# Altium PCB LimeNet-Micro_2v0.PcbDoc (part 4 of 11) (continued)
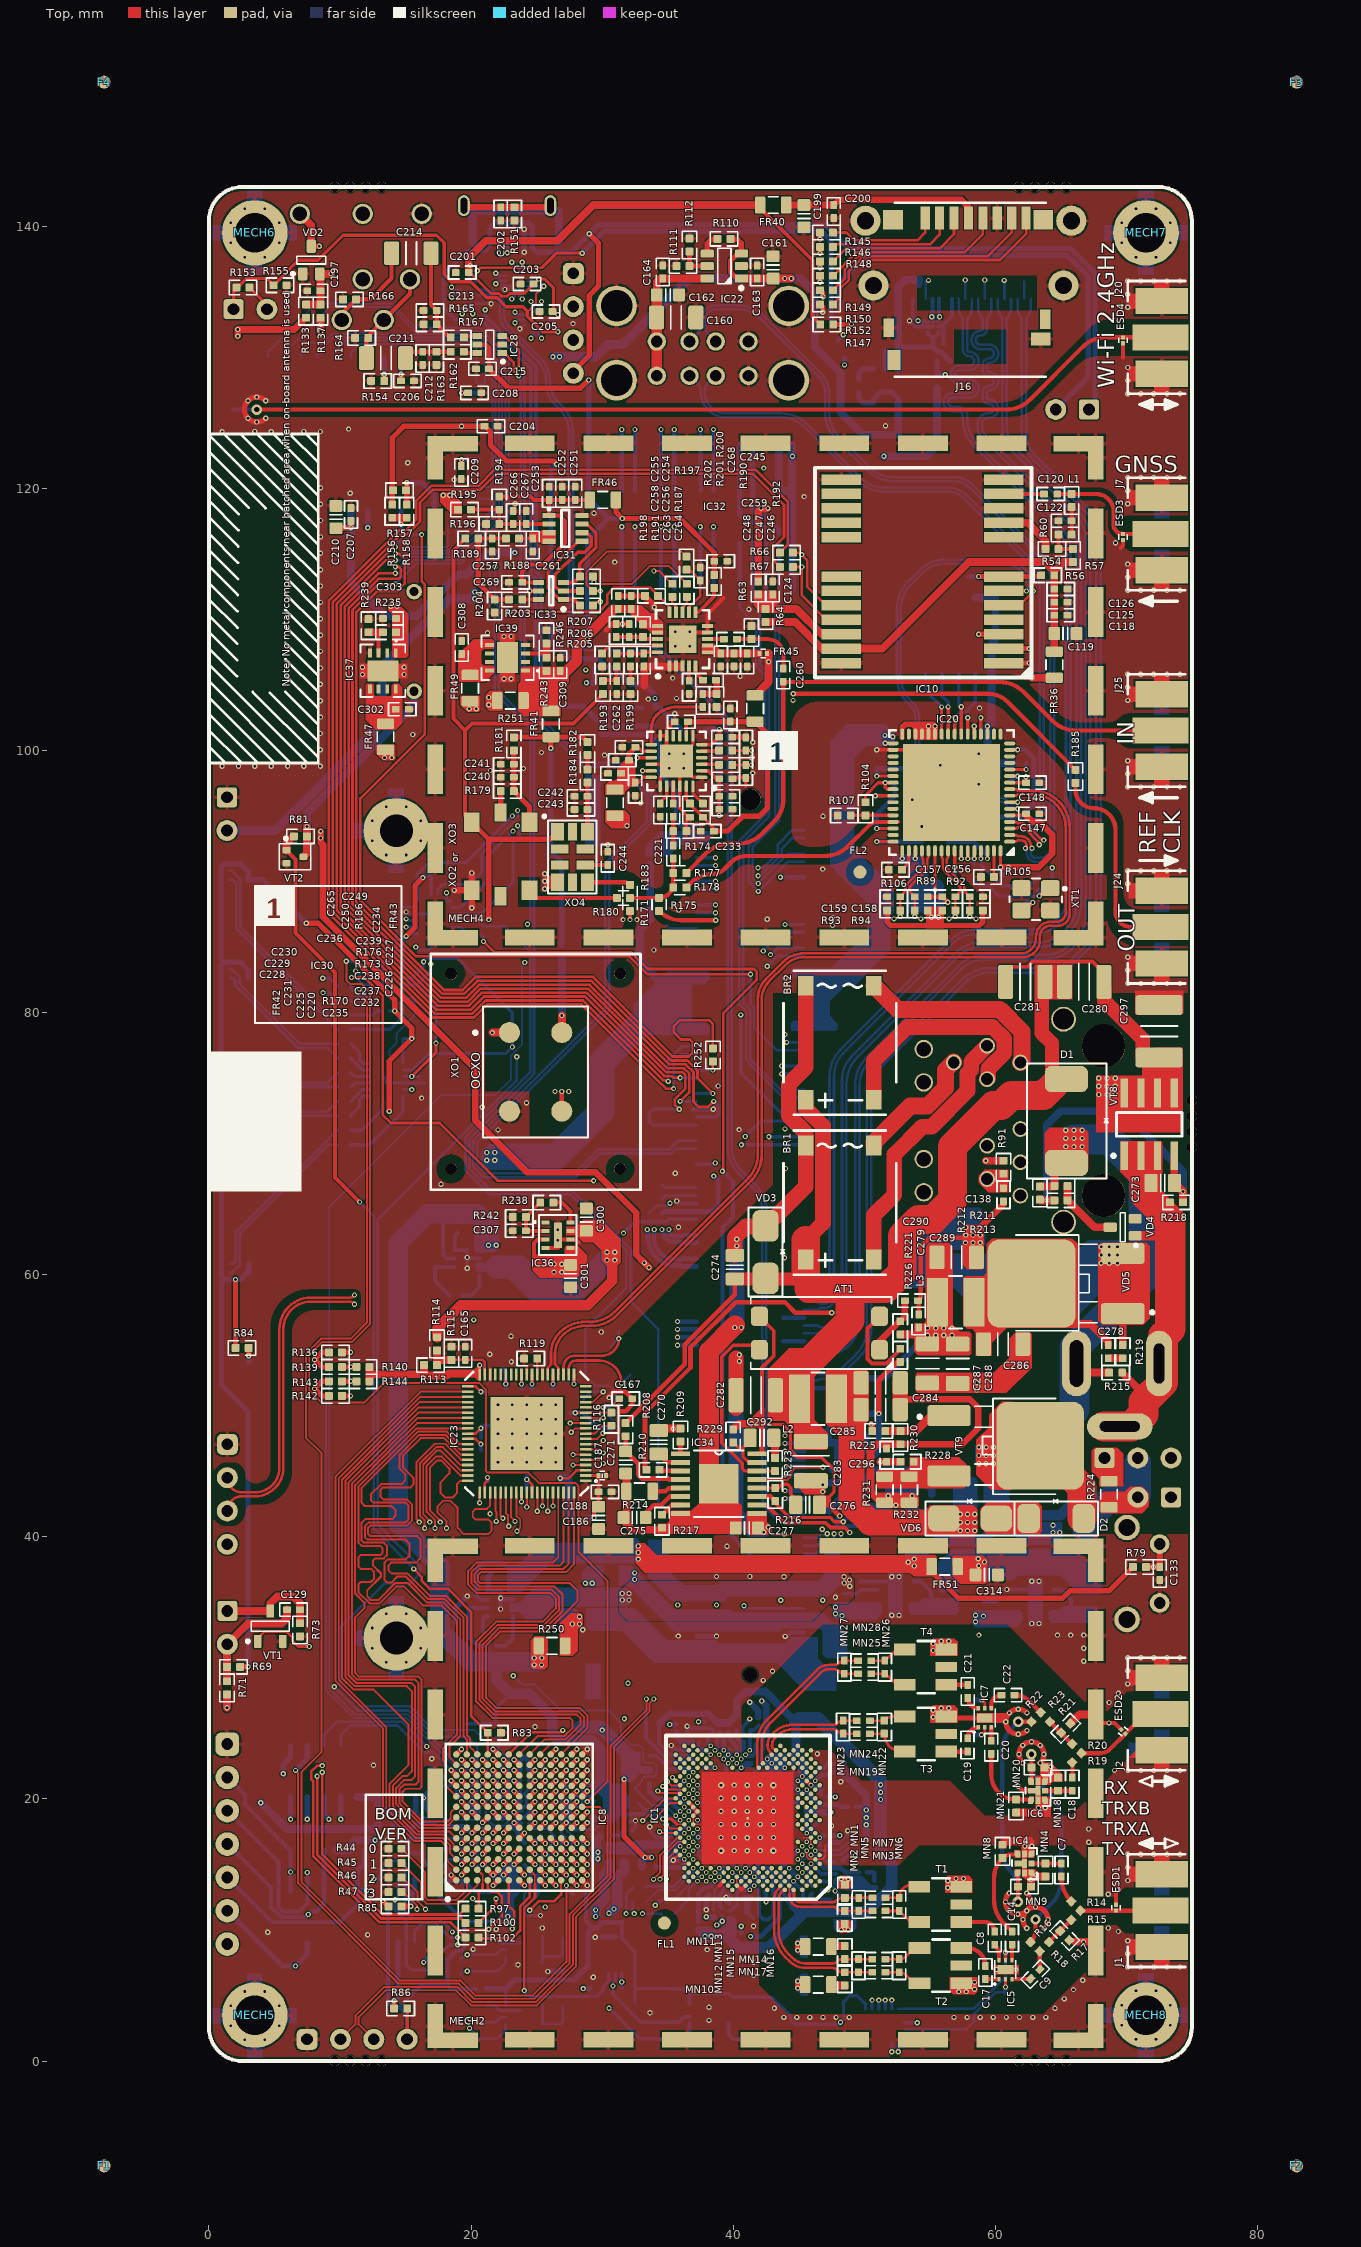
[diagram p0: Top view]
## Nets (pads, with @x,y where several pads share a name; then routed paths per layer and width w, separated by ;. In a path a pad name is that pad's centre, name@x,y a point inside that pad or via, vN(x,y) a via of type N, cw(c..) or ccw(c..) an arc to the next point about the centre after c; other vN are vias at no path point) (continued)
  Bottom w0.325: J22.8@37.5,119.8 J22.8@37.5,123.3 v1(37.5,124.5)
  Bottom w0.35: v1@34.6,63.4 ccw(c35.5,63.4) 35.5,62.5 35.95,62.5 36.025,62.425 J13.96@37.2,62.425
DSI1_D0_P: J13.94 J22.9 | length 74.9
  L4 w0.1: v1(35.092,63.45) 34.925,63.617 34.925,64.183 33.3,65.808 33.3,85 33.975,85.675 34.038,85.738 34.038,100.005 33.15,100.892 33.15,105.117 33.525,105.492 33.525,114.438 31.15,116.813 31.15,117.911 35.572,122.333 37.541,122.333 38.1,122.892 38.1,123.167 ; 38.1,123.25 38.1,124.1 v1(38.5,124.5)
  Bottom w0.325: J22.9@38.5,119.8 J22.9@38.5,123.3 v1(38.5,124.5)
  Bottom w0.35: v1@35.05,63.4 ccw(c35.5,63.4) 35.5,62.95 35.95,62.95 36.025,63.025 J13.94@37.2,63.025
DSI1_D1_N: J13.120 J22.2 | length 80.3
  L4 w0.1: v1(31.5,124.5) 31.9,124.1 31.9,122.828 30.15,121.078 30.15,116.399 32.525,114.024 32.525,105.925 32.35,105.75 32.35,105.741 32.15,105.541 32.15,100.478 33.013,99.615 33.013,99.17 32.375,98.533 32.375,95.467 33.038,94.805 33.038,86.152 32.3,85.414 32.3,64.199 32.863,63.636 32.863,62.255 34.425,60.692 34.425,56.117 35.117,55.425 35.55,55.425 v1(35.75,55.225)
  Bottom w0.325: J22.2@31.5,119.8 J22.2@31.5,123.3 v1(31.5,124.5)
  Bottom w0.35: v1(35.75,55.225) J13.120@37.2,55.225
DSI1_D1_P: J13.118 J22.3 | length 79.9
  L4 w0.1: 32.1,123.167 32.1,122.745 30.35,120.995 30.35,116.481 32.725,114.106 32.725,105.833 32.35,105.458 32.35,100.561 33.213,99.698 33.213,99.088 32.575,98.45 32.575,95.55 33.238,94.887 33.238,86.069 32.5,85.331 32.5,64.281 33.063,63.719 33.063,62.337 34.625,60.775 34.625,56.2 35.2,55.625 35.55,55.625 v1(35.75,55.825) ; 32.1,123.25 32.1,124.1 v1(32.5,124.5)
  Bottom w0.325: J22.3@32.5,119.8 J22.3@32.5,123.3 v1(32.5,124.5)
  Bottom w0.35: v1(35.75,55.825) J13.118@37.2,55.825
ETH_AUTOMDIX_EN: IC15.3 IC20.41 R88.1 | length 47.9
  Top w0.25: v1(50.85,96.55) IC20.41@52.2,96.55
  L3 w0.1: v1(23.197,93.85) 23.645,93.85 31.1,101.305 31.1,102.95 33.025,104.875 44.65,104.875 45.25,104.275 45.25,102.15 v1(50.85,96.55)
  Bottom w0.25: IC15.3@18.5,88.025 19.225,88.025 21.2,90 21.2,91.853 v1(23.197,93.85)
  Bottom w0.35: v1(50.85,96.55) R88.1@51.3,96.55
ETH_CLK24: IC20.45 R178.2 | length 17.8
  Top w0.325: R178.2@36.425,89.55 36.796,89.921 cw(c38.375,88.342) 37.517,90.403 cw(c38.375,88.342) 38.375,90.575 ccw(c38.375,91.963) 39.357,90.982 39.85,91.475 cw(c40.997,90.328) 40.997,91.95 46.973,91.95 ccw(c46.973,94.49) 48.769,92.694 50.363,94.288 cw(c50.996,93.654) 50.996,94.55 IC20.45@52.2,94.55 IC20.45@52.55,94.55
ETH_CLK24_EN: IC20.44 R104.2 R107.1 | length 3.2
  Top w0.25: R107.1@48.975,95.05 R104.2@50.1,95.05 IC20.44@52.2,95.05
ETH_EECLK: IC20.23 IC21.2 | length 4.7
  Top w0.25: IC20.23@57.4,101.25 v1(57.4,103.335)
  Bottom w0.25: IC21.2@57.211,105.887 57.211,103.524 v1(57.4,103.335)
ETH_EECS: IC20.24 IC21.1 R103.2 | length 6
  Top w0.25: IC20.24@56.9,101.25 v1(56.9,102.5)
  Bottom w0.25: v1(56.9,102.5) 57.285,102.885 57.66,102.885 58.481,103.706 IC21.1@58.481,105.887
  Bottom w0.35: R103.2@56.9,102.025 v1(56.9,102.5)
ETH_EEDI: IC20.26 IC21.4 | length 5.2
  Top w0.25: IC20.26@55.9,101.25 v1(55.9,103.325) v1@55.9,103.35
  Bottom w0.25: IC21.4@54.671,105.887 54.671,104.554 v1(55.9,103.325)
ETH_EEDO: IC20.25 IC21.3 | length 4.8
  Top w0.25: IC20.25@56.4,101.25 v1(56.4,103.325)
  Bottom w0.25: IC21.3@55.941,105.887 55.941,104.134 56.4,103.675 v1(56.4,103.325)
ETH_GPIO0: IC8.C2 R97.2 | length 3.3
  Top w0.1: 20.872,13.475 20.872,14.194
  Top w0.15: IC8.C2@20.472,14.594 20.872,14.194
  Top w0.2: R97.2@20.575,11.625 20.575,12.804 20.872,13.101 20.872,13.475
ETH_GPIO1: IC8.G4 R100.2 | length 7.2
  Top w0.2: R100.2@20.575,10.525 21.9,11.85 v1(21.9,12.375)
  Top w0.4: v1(23.272,15.794) IC8.G4@23.672,16.194
  L3 w0.1: v1(21.9,12.375) 23.075,13.55 23.075,14.258 23.622,14.805 23.622,15.444 v1(23.272,15.794)
ETH_GPIO2: IC8.H1 R102.2 | length 7.6
  Top w0.2: R102.2@20.575,9.425 20.65,9.35 23.15,9.35 23.75,9.95 23.75,11.774 24.472,12.496 IC8.H1@24.472,13.794
ETH_LED1: IC13.2 R99.1 | length 1.5
  Bottom w0.25: R99.1@10.808,80.925 11.108,80.625 IC13.2@12.208,80.625
ETH_LED2: IC13.3 R101.1 | length 1.9
  Bottom w0.25: R101.1@10.807,82.025 10.807,81.851 11.533,81.125 IC13.3@12.208,81.125
ETH_NRESET: IC15.4 IC20.12 R87.1 | length 61.4
  Top w0.25: IC20.12@61.1,98.55 v1(62.35,98.55)
  L3 w0.1: v1(23.55,94.25) 30.85,101.55 30.85,102.983 31.142,103.275 32.942,105.075 44.733,105.075 45.45,104.358 45.45,102.233 50.758,96.925 59.55,96.925 61.175,98.55 v1(62.35,98.55)
  Bottom w0.25: IC15.4@18.5,87.525 20.775,87.525 23.197,89.947 23.197,92.922 23.7,93.425 23.7,94.1 v1(23.55,94.25)
  Bottom w0.35: v1(62.35,98.55) R87.1@62.35,99.025
ETH_RX_N: C158.1 IC20.53 J9.P5 R94.1 | length 25.6
  Top w0.2: v1(53.85,87.325) R94.1@53.85,87.8 C158.1@53.85,88.85 53.591,89.109 cw(c53.933,89.45) 53.45,89.45 cw(c53.752,89.45) 53.538,89.663 54.553,90.678 ccw(c53.955,91.275) 54.8,91.275 54.8,91.725 ccw(c54.559,91.966) 54.9,91.966 IC20.53@54.9,92.35
  L3 w0.15: v1(53.85,87.325) 53.602,87.077 ccw(c54.029,86.65) 53.425,86.65 ccw(c55.055,86.65) 53.435,86.469 ccw(c55.055,86.65) 53.902,85.498 59.933,79.467 cw(c57.96,77.494) 60.75,77.494 60.75,75.625 61.15,75.225 61.15,74.075 60.75,73.675 60.75,73.05 ccw(c62.609,73.05) 61.295,71.735 J9.P5@61.915,71.115
ETH_RX_P: C159.1 IC20.52 J9.P4 R93.1 | length 26.5
  Top w0.2: v1(52.75,87.325) R93.1@52.75,87.8 C159.1@52.75,88.85 53.009,89.109 ccw(c52.667,89.45) 53.15,89.45 cw(c53.752,89.45) 53.326,89.876 54.34,90.89 ccw(c53.955,91.275) 54.5,91.275 54.5,91.725 cw(c54.741,91.966) 54.4,91.966 IC20.52@54.4,92.35
  L3 w0.15: v1(52.75,87.325) 52.998,87.077 cw(c52.571,86.65) 53.175,86.65 ccw(c55.055,86.65) 53.726,85.321 59.756,79.29 cw(c57.96,77.494) 60.5,77.494 60.5,72.022 cw(c57.96,72.022) 59.756,70.226 J9.P4@59.375,69.845
ETH_TX_N: C156.1 IC20.56 J9.P3 R92.1 | length 31.9
  Top w0.2: IC20.56@56.4,92.35 56.4,91.966 cw(c56.059,91.966) 56.3,91.725 56.3,91.275 ccw(c56.845,91.275) 56.46,90.89 57.474,89.876 cw(c57.048,89.45) 57.65,89.45 ccw(c58.133,89.45) 57.791,89.109 C156.1@58.05,88.85 v1(58.05,87.325)
  L3 w0.15: v1(58.05,87.325) ccw(c59.076,86.299) 57.625,86.299 57.625,84.838 ccw(c58.863,84.838) 57.988,83.963 62.758,79.192 cw(c60.785,77.219) 63.575,77.219 63.575,71.1 cw(c62.2,71.1) 62.2,69.725 61.5,69.725 ccw(c61.5,68.825) 60.6,68.825 60.6,68.03 ccw(c61.2,68.03) 61.2,67.43 ccw(c61.2,68.145) 61.915,68.145 J9.P3@61.915,68.575
ETH_TX_P: C157.1 IC20.55 J9.P1 R89.1 | length 32.3
  Top w0.2: IC20.55@55.9,92.35 55.9,91.966 ccw(c56.241,91.966) 56,91.725 56,91.275 ccw(c56.845,91.275) 56.247,90.678 57.262,89.663 cw(c57.048,89.45) 57.35,89.45 cw(c56.867,89.45) 57.209,89.109 C157.1@56.95,88.85 R89.1@56.95,87.8 v1(56.95,87.325)
  L3 w0.15: v1(56.95,87.325) cw(c55.924,86.299) 57.375,86.299 57.375,84.838 ccw(c58.863,84.838) 57.811,83.786 62.581,79.015 cw(c60.785,77.219) 63.325,77.219 63.325,71.1 cw(c62.2,71.1) 62.2,69.975 61.5,69.975 ccw(c61.5,68.825) 60.35,68.825 60.35,68.03 ccw(c61.2,68.03) 61.2,67.18 cw(c61.2,66.465) 61.915,66.465 J9.P1@61.915,66.035
ETH_USB0_D_N: IC20.58 IC27.2 J12.2 | length 85.1
  Top w0.25: v1(57.4,91.75) IC20.58@57.4,92.35
  L3 w0.1: v1(24.575,131.463) 24.672,131.56 ccw(c24.182,132.05) 24.875,132.05 24.875,132.35 cw(c25.225,132.35) 25.225,132.7 26.825,132.7 ccw(c26.825,133.675) J12.2@27.8,133.675 ; J12.2@27.8,133.871 J12.2@27.8,133.675 ; v1(57.4,91.75) cw(c57.038,91.388) 57.55,91.388 57.55,91.375 ccw(c58.2,91.375) 58.2,90.725 58.876,90.725 ccw(c58.876,91.949) 59.741,91.084 60.064,91.406 cw(c61.075,90.395) 61.075,91.825 62.723,91.825 ccw(c62.723,94.565) 64.66,92.628 66.822,94.79 ccw(c64.885,96.727) 67.625,96.727 67.625,113.123 ccw(c64.885,113.123) 66.822,115.06 52.485,129.397 ccw(c50.548,127.46) 50.548,130.2 32.852,130.2 cw(c32.852,132.74) 31.056,130.944 29.671,132.329 ccw(c28.775,131.433) 28.775,132.7 cw(c28.775,133.675) J12.2@27.8,133.675
  Bottom w0.22: v1(24.575,131.463) 24.775,131.663 IC27.2@24.775,132.188
ETH_USB0_D_P: IC20.59 IC27.1 J12.3 | length 83.9
  Top w0.25: v1(57.9,91.75) IC20.59@57.9,92.35
  L3 w0.1: v1(25.375,131.463) 25.278,131.56 cw(c25.768,132.05) 25.075,132.05 25.075,132.35 cw(c25.225,132.35) 25.225,132.5 26.825,132.5 cw(c26.825,131.525) J12.3@27.8,131.525 ; J12.3@27.8,131.329 J12.3@27.8,131.525 ; v1(57.9,91.75) ccw(c58.262,91.388) 57.75,91.388 57.75,91.375 ccw(c58.2,91.375) 58.2,90.925 58.876,90.925 ccw(c58.876,91.949) 59.6,91.225 59.923,91.548 cw(c61.075,90.395) 61.075,92.025 62.723,92.025 ccw(c62.723,94.565) 64.519,92.769 66.681,94.931 ccw(c64.885,96.727) 67.425,96.727 67.425,113.123 ccw(c64.885,113.123) 66.681,114.919 52.344,129.256 ccw(c50.548,127.46) 50.548,130 32.852,130 cw(c32.852,132.74) 30.915,130.803 29.53,132.187 ccw(c28.775,131.433) 28.775,132.5 ccw(c28.775,131.525) J12.3@27.8,131.525
  Bottom w0.22: IC27.1@25.175,132.238 25.175,131.663 v1(25.375,131.463)
ETH_USB2_D_N: IC20.1 J10.B2 | length 65.9
  Top w0.2: IC20.1@61.1,93.05 61.484,93.05 ccw(c61.484,93.391) 61.725,93.15 61.95,93.15 cw(c61.95,92.667) 62.291,93.009 cw(c62.029,92.746) 62.4,92.746 62.4,92.65 cw(c62.3,92.65) v1(62.3,92.55)
  Bottom w0.2: J10.B2@36.67,131.215 37.276,131.821 ccw(c36.687,132.41) 37.52,132.41 37.52,132.795 cw(c38.7,132.795) 38.7,133.975 40.324,133.975 cw(c40.324,131.135) 42.332,133.143 46.043,129.432 cw(c44.035,127.424) 46.044,129.431 46.671,128.804 cw(c45.092,127.225) 47.325,127.225 47.325,125.752 ccw(c49.865,125.752) 48.069,123.956 50.431,121.594 ccw(c52.227,123.39) 52.227,120.85 56.835,120.85 cw(c56.835,118.824) 58.268,120.256 63.887,114.637 cw(c62.408,113.158) 64.5,113.158 64.5,92.575 cw(c63.45,92.575) 63.45,91.525 63.05,91.525 cw(c63.05,92.175) 62.4,92.175 62.4,92.309 ccw(c62.059,92.309) v1(62.3,92.55)
ETH_USB2_D_P: IC20.2 J10.B3 | length 64.5
  Top w0.2: IC20.2@61.1,93.55 61.484,93.55 cw(c61.484,93.209) 61.725,93.45 61.95,93.45 cw(c61.95,92.667) 62.504,93.221 cw(c62.029,92.746) 62.7,92.746 62.7,92.65 ccw(c62.8,92.65) v1(62.8,92.55)
  Bottom w0.2: J10.B3@38.67,131.215 38.064,131.821 cw(c38.653,132.41) 37.82,132.41 37.82,132.795 cw(c38.7,132.795) 38.7,133.675 40.324,133.675 cw(c40.324,131.135) 42.12,132.931 46.459,128.592 cw(c45.092,127.225) 47.025,127.225 47.025,125.752 ccw(c49.865,125.752) 47.857,123.744 50.219,121.382 ccw(c52.227,123.39) 52.227,120.55 56.835,120.55 cw(c56.835,118.824) 58.056,120.044 63.675,114.425 cw(c62.408,113.158) 64.2,113.158 64.2,92.575 cw(c63.45,92.575) 63.45,91.825 63.05,91.825 cw(c63.05,92.175) 62.7,92.175 62.7,92.309 cw(c63.041,92.309) v1(62.8,92.55)
ETH_USB3_D_N: IC20.3 J10.T2 | length 57
  Top w0.2: IC20.3@61.1,94.05 61.484,94.05 ccw(c61.484,94.391) 61.725,94.15 61.95,94.15 cw(c61.95,93.667) 62.291,94.009 63.275,93.025 63.346,92.954 cw(c63.275,92.884) v1(63.346,92.813)
  Bottom w0.2: J10.T2@36.67,128.595 37.276,127.989 cw(c36.687,127.4) 37.52,127.4 ccw(c39.558,127.4) 38.117,125.959 ccw(c39.406,127.247) 39.406,125.425 43.649,125.425 cw(c43.649,122.885) 45.445,124.681 49.544,120.582 ccw(c51.552,122.59) 51.552,119.75 56.425,119.75 cw(c56.425,118.12) 57.577,119.273 62.656,114.194 cw(c60.86,112.398) 63.4,112.398 63.4,95.61 cw(c62.29,95.61) 63.075,94.825 ccw(c63.86,94.04) 62.75,94.04 62.75,93.875 ccw(c63.535,93.875) 62.98,93.32 63.246,93.054 cw(c63.004,92.813) v1(63.346,92.813)
ETH_USB3_D_P: IC20.4 J10.T3 | length 57
  Top w0.2: IC20.4@61.1,94.55 61.484,94.55 cw(c61.484,94.209) 61.725,94.45 61.95,94.45 cw(c61.95,93.667) 62.504,94.221 63.558,93.166 ccw(c63.629,93.237) v1(63.699,93.166)
  Bottom w0.2: J10.T3@38.67,128.595 38.064,127.989 ccw(c38.653,127.4) 37.82,127.4 ccw(c39.558,127.4) 38.329,126.171 ccw(c39.406,127.247) 39.406,125.725 43.649,125.725 cw(c43.649,122.885) 45.657,124.893 49.756,120.794 ccw(c51.552,122.59) 51.552,120.05 56.425,120.05 cw(c56.425,118.12) 57.789,119.485 62.868,114.406 cw(c60.86,112.398) 63.7,112.398 63.7,95.61 cw(c62.29,95.61) 63.287,94.613 ccw(c63.86,94.04) 63.05,94.04 63.05,93.875 ccw(c63.535,93.875) 63.192,93.532 63.458,93.266 ccw(c63.699,93.508) v1(63.699,93.166)
ETH_USB4_D_N: IC20.6 J11.3 R108.1 | length 110.7
  Top w0.2: J11.3@1.4,41.97 cw(c2.521,41.97) 2.521,43.091 3.5,43.091 ccw(c3.5,45.266) 5.675,45.266 5.675,55.85 cw(c7.775,55.85) 7.775,57.95 10.7,57.95 cw(c10.7,57.467) 11.041,57.809 v1(11.1,57.75)
  Top w0.25: IC20.6@61.1,95.55 v1(61.7,95.55)
  L3 w0.1: v1(11.1,57.75) cw(c11.704,57.146) 11.704,58 19.573,58 ccw(c19.573,60.74) 21.51,58.803 23.022,60.315 ccw(c21.085,62.252) 23.825,62.252 23.825,74.025 cw(c25.617,74.025) 24.35,75.292 27.147,78.09 ccw(c25.21,80.027) 27.95,80.027 27.95,88.323 cw(c30.49,88.323) 28.694,90.119 39.72,101.145 cw(c40.758,100.107) 40.758,101.575 42.915,101.575 cw(c42.915,99.035) 44.711,100.831 49.04,96.503 ccw(c50.977,98.44) 50.977,95.7 61.338,95.7 cw(c61.338,95.188) v1(61.7,95.55)
  Bottom w0.2: R108.1@59.825,95.7 60.084,95.959 cw(c60.425,95.617) 60.425,96.1 60.444,96.1 cw(c60.444,95.844) 60.625,96.025 60.841,95.809 ccw(c61.225,96.193) 61.225,95.65 61.459,95.65 cw(c61.459,95.309) v1(61.7,95.55)
ETH_USB4_D_P: IC20.7 J11.2 R109.1 | length 110.7
  Top w0.2: J11.2@1.4,44.513 ccw(c2.521,44.513) 2.521,43.391 3.5,43.391 ccw(c3.5,45.266) 5.375,45.266 5.375,55.85 cw(c7.775,55.85) 7.775,58.25 10.7,58.25 ccw(c10.7,58.733) 11.041,58.391 v1(11.1,58.45)
  Top w0.25: IC20.7@61.1,96.05 v1(61.7,96.05)
  L3 w0.1: v1(11.1,58.45) ccw(c11.704,59.054) 11.704,58.2 19.573,58.2 ccw(c19.573,60.74) 21.369,58.944 22.881,60.456 ccw(c21.085,62.252) 23.625,62.252 23.625,74.025 cw(c25.617,74.025) 24.208,75.433 27.006,78.231 ccw(c25.21,80.027) 27.75,80.027 27.75,88.323 cw(c30.49,88.323) 28.553,90.26 39.579,101.286 cw(c40.758,100.107) 40.758,101.775 42.915,101.775 cw(c42.915,99.035) 44.853,100.972 49.181,96.644 ccw(c50.977,98.44) 50.977,95.9 61.338,95.9 ccw(c61.338,96.412) v1(61.7,96.05)
  Bottom w0.2: R109.1@59.825,96.8 60.084,96.541 ccw(c60.425,96.883) 60.425,96.4 60.444,96.4 cw(c60.444,95.844) 60.837,96.237 61.053,96.021 ccw(c61.225,96.193) 61.225,95.95 61.459,95.95 ccw(c61.459,96.291) v1(61.7,96.05)
ETH_USB5_D_N: IC20.8 IC23.25 | length 75.6
  Top w0.2: IC23.25@25.85,52.375 25.85,52.925 26.1,53.175 26.1,54.074 cw(c28.152,54.074) 26.701,55.525 ; 26.789,55.613 cw(c28.688,53.714) 26.791,55.615 cw(c28.688,53.714) 28.688,56.4 29.1,56.4 ccw(c29.1,58.993) 30.933,57.159 41.131,67.357 ccw(c39.335,69.153) 41.875,69.153 41.875,81.012 cw(c44.138,81.012) 42.538,82.612 43.764,83.838 cw(c45.422,82.179) 45.422,84.525 61.96,84.525 ccw(c61.96,85.665) 63.1,85.665 63.1,85.8 cw(c64.225,85.8) 64.225,86.925 64.65,86.925 ccw(c64.65,87.65) 65.375,87.65 65.375,94.11 ccw(c62.835,94.11) 62.835,96.65 61.725,96.65 cw(c61.484,96.891) 61.484,96.55 IC20.8@61.1,96.55
ETH_USB5_D_P: IC20.9 IC23.23 | length 76.2
  Top w0.2: IC23.23@26.65,52.375 26.65,52.925 26.4,53.175 26.4,53.95 cw(c28.452,53.95) 27.001,55.401 cw(c28.688,53.714) 27.003,55.403 cw(c28.688,53.714) 28.688,56.1 29.246,56.1 ccw(c29.246,58.64) 31.042,56.844 41.343,67.145 ccw(c39.335,69.153) 42.175,69.153 42.175,81.012 cw(c44.138,81.012) 42.75,82.4 43.976,83.626 cw(c45.422,82.179) 45.422,84.225 62.084,84.225 ccw(c62.084,85.541) 62.906,84.514 ccw(c62.084,85.541) 63.4,85.541 63.4,85.8 cw(c64.225,85.8) 64.225,86.625 64.65,86.625 ; IC20.9@61.1,97.05 61.484,97.05 cw(c61.484,96.709) 61.725,96.95 62.835,96.95 cw(c62.835,94.11) 65.675,94.11 65.675,87.526 cw(c64.774,87.526) 65.196,86.73 cw(c64.774,87.526) 64.774,86.625
ETH_USB_VBUS: IC20.11 R90.2 | length 1.2
  Top w0.25: IC20.11@61.1,98.05 v1(61.7,98.05)
  Bottom w0.35: R90.2@61.125,97.925 61.575,97.925 v1(61.7,98.05)
ETHI_USB0_D_N: IC24.6 IC27.4 | length 14.6
  L3 w0.1: v1(18.5,134.55) 18.377,134.673 ccw(c17.95,134.246) 17.95,134.85 ccw(c17.95,134.225) 17.325,134.225 17.325,132.175 ccw(c18.125,132.175) 18.125,131.375 22.995,131.375 ccw(c22.995,132.655) 23.9,131.75 ccw(c23.417,132.233) 24.1,132.233 24.1,132.663 ccw(c23.825,132.663) 23.825,132.938 23.65,132.938 ccw(c23.65,132.638) v1(23.35,132.638)
  Bottom w0.22: v1(18.5,134.55) 18.7,134.75 IC24.6@19.275,134.75 ; v1(23.35,132.638) 23.55,132.838 IC27.4@24.125,132.838
ETHI_USB0_D_P: IC24.7 IC27.5 | length 15.9
  L3 w0.1: v1(18.5,135.35) 18.377,135.227 cw(c17.95,135.654) 17.95,135.05 ccw(c17.95,134.225) 17.125,134.225 17.125,132.175 ccw(c18.125,132.175) 18.125,131.175 22.995,131.175 ccw(c22.995,132.655) 24.041,131.609 ccw(c23.417,132.233) 24.3,132.233 24.3,132.663 ; v1(23.35,133.438) ccw(c23.65,133.438) 23.65,133.138 23.825,133.138 cw(c23.825,132.663) 24.3,132.663 ; 24.3,132.746 24.3,132.663
  Bottom w0.22: v1(18.5,135.35) 18.7,135.15 IC24.7@19.275,135.15 ; v1(23.35,133.438) 23.55,133.238 IC27.5@24.125,133.238
EXT_USB_CTRL: IC25.10 IC27.10 J18.1 R153.1 R155.1 | length 37.9
  Top w0.15: 24.275,133.525 24.367,133.525 24.95,134.108 24.95,134.825 v1(25.55,135.425)
  Top w0.25: J18.1@1.88,133.675 1.88,135.005 2.895,136.02 4.405,136.02 R155.1@4.925,135.5 6.825,137.4 8.3,137.4 10.225,139.325 17.36,139.325 17.95,138.735 17.95,136.325 18.5,135.775 19.97,135.775 21.205,134.54 21.985,134.54 22.654,133.871 23.929,133.871 24.275,133.525 24.275,133.15 25.475,131.95 v1(26.625,131.95)
  Bottom w0.22: IC25.10@24.35,135.425 v1(25.55,135.425) ; IC27.10@25.825,132.438 26.475,132.438 26.625,132.288 v1(26.625,131.95)
EXT_USB_D_N: IC25.2 J15.2 | length 5.8
  L3 w0.1: v1(22.1,137.975) cw(c21.557,137.432) 22.325,137.432 22.325,137.38 ccw(c23.805,137.38) 22.759,136.334 23.105,135.987 cw(c22.393,135.275) 23.4,135.275 23.4,135 cw(c22.796,135) 23.223,134.573 v1(23.1,134.45)
  Bottom w0.22: v1(23.1,134.45) 23.3,134.65 IC25.2@23.3,135.175 IC25.2@23.3,135.225
  Bottom w0.25: v1(22.1,137.975) J15.2@22.1,138.9
EXT_USB_D_P: IC25.1 J15.3 | length 5.8
  L3 w0.1: v1(22.75,137.975) ccw(c23.293,137.432) 22.525,137.432 22.525,137.38 ccw(c23.805,137.38) 22.9,136.475 23.246,136.129 cw(c22.393,135.275) 23.6,135.275 23.6,135 ccw(c24.204,135) 23.777,134.573 v1(23.9,134.45)
  Bottom w0.22: IC25.1@23.7,135.225 23.7,134.65 v1(23.9,134.45)
  Bottom w0.25: v1(22.75,137.975) J15.3@22.75,138.9
EXTI_USB_D_N: IC24.4 IC25.4 | length 5.9
  L3 w0.1: v1(20.125,133.325) 20.002,133.448 cw(c20.429,133.875) 19.825,133.875 19.825,134.545 cw(c21.105,134.545) 20.2,135.45 20.215,135.465 cw(c21.325,134.356) 21.325,135.925 cw(c21.325,135.321) 21.752,135.748 v1(21.875,135.625)
  Bottom w0.22: IC24.4@19.925,134.1 19.925,133.525 v1(20.125,133.325) ; v1(21.875,135.625) 22.075,135.825 IC25.4@22.65,135.825
EXTI_USB_D_P: IC24.5 IC25.5 | length 6.3
  L3 w0.1: v1(19.325,133.325) 19.448,133.448 ccw(c19.021,133.875) 19.625,133.875 19.625,134.545 cw(c21.105,134.545) 20.059,135.591 20.074,135.607 cw(c21.325,134.356) 21.325,136.125 ccw(c21.325,136.729) 21.752,136.302 v1(21.875,136.425)
  Bottom w0.22: v1(19.325,133.325) 19.525,133.525 IC24.5@19.525,134.1 ; v1(21.875,136.425) 22.075,136.225 IC25.5@22.65,136.225
EXTL_USB_D_N: IC25.6 IC27.6 | length 5.5
  L3 w0.1: v1(23.1,137.25) 23.223,137.127 cw(c22.796,136.7) 23.4,136.7 ccw(c24.064,136.7) 23.594,136.231 24.778,135.047 cw(c24.544,134.813) 24.875,134.813 cw(c24.271,134.813) 24.698,134.386 v1(24.575,134.263)
  Bottom w0.22: v1(23.1,137.25) 23.3,137.05 IC25.6@23.3,136.475 ; v1(24.575,134.263) 24.775,134.063 IC27.6@24.775,133.488
EXTL_USB_D_P: IC25.7 IC27.7 | length 5.5
  L3 w0.1: v1(23.9,137.25) 23.777,137.127 ccw(c24.204,136.7) 23.6,136.7 ccw(c24.064,136.7) 23.736,136.372 24.92,135.188 cw(c24.544,134.813) 25.075,134.813 ccw(c25.679,134.813) 25.252,134.386 v1(25.375,134.263)
  Bottom w0.22: IC25.7@23.7,136.475 23.7,137.05 v1(23.9,137.25) ; IC27.7@25.175,133.488 25.175,134.063 v1(25.375,134.263)
FAN_CTRL: IC8.C5 R52.2 VT1.G | length 30.3
  Top w0.2: VT1.G@3.725,32.025 3.725,32.275 4.225,32.775 5.925,32.775 6.35,32.35 6.35,32.075 6.8,31.625 v1(7.65,31.625)
  Top w0.4: v1(20.072,16.594) IC8.C5@20.472,16.994
  L4 w0.1: v1(7.65,31.625) 10.15,29.125 10.15,27.05 17.375,19.825 17.375,18.458 18.008,17.825 20.136,17.825 20.422,17.539 20.422,16.944 v1(20.072,16.594)
  Bottom w0.2: R52.2@17.272,16.994 19.672,16.994 v1(20.072,16.594)
FPGA_BTN: C133.1 IC8.H3 R79.2 SB1.1 | length 89.7
  Top w0.4: IC8.H3@24.472,15.394 v1(24.872,14.994)
  Top w0.5: R79.2@71.5,37.7 v1(72.05,37.7) C133.1@72.55,37.7 72.55,39.445 SB1.1@72.545,39.45
  L3 w0.1: v1(24.872,14.994) 24.872,12.528 v1(25.65,11.75)
  L4 w0.1: v1(25.65,11.75) 29.975,7.425 37.825,7.425 42.725,2.525 49.25,2.525 51.425,0.35 56.32,0.35 58.495,2.525 64.5,2.525 68.225,6.25 68.225,33.875 v1(72.05,37.7)
FPGA_CONFIG_SEL: IC8.D7 R37.2 R40.2 | length 7.1
  Top w0.4: v1(20.872,18.194) IC8.D7@21.272,18.594
  Bottom w0.15: R37.2@15.772,19.094 16.272,18.594 17.747,18.594 17.947,18.394 20.672,18.394 v1(20.872,18.194)
  Bottom w0.4: R37.2@15.772,19.094 R40.2@15.772,20.194
FPGA_GPIO0: IC8.L1 J5.1 | length 35.8
  Top w0.15: 26.872,13.075 IC8.L1@26.872,13.794
  Top w0.2: v1(24.472,11.5) 25.172,12.2 26.375,12.2 26.872,12.697 26.872,13.075
  L3 w0.1: v1(5.675,21.92) 5.675,12.58 7.83,10.425 17.231,10.425 17.856,11.05 22.283,11.05 22.733,11.5 v1(24.472,11.5)
  Bottom w0.4: v1(5.675,21.92) 5.675,22.625 6.225,23.175 J5.1@6.225,24.072
FPGA_GPIO1: IC8.M7 J5.2 | length 36.5
  Top w0.4: IC8.M7@27.672,18.594 v1(28.072,18.994)
  L3 w0.1: v1(6.225,18.45) 6.575,18.1 6.575,13.45 6.7,13.325 9,11.025 16.983,11.025 17.608,11.65 22.034,11.65 23.475,13.091 23.475,14.092 24.05,14.667 24.05,16.675 23.722,17.003 23.722,17.539 23.927,17.744 24.217,17.744 24.517,17.444 25.644,17.444 26.022,17.822 26.022,18.3 26.322,18.6 27.642,18.6 28.036,18.994 v1(28.072,18.994)
  Bottom w0.4: v1(6.225,18.45) J5.2@6.225,20.172
FPGA_GPIO2: IC8.N8 J5.3 | length 51.2
  Top w0.15: v1(6.6,22.175) 6.8,21.975 6.8,13.56 14.46,5.9 19.071,5.9 20.221,4.75 24.818,4.75 27.522,7.454 27.522,11.215 30.4,14.093 30.4,18.769 29.775,19.394 IC8.N8@28.472,19.394
  Bottom w0.4: v1(6.6,22.175) 7.5,23.075 J5.3@7.5,24.072
FPGA_GPIO3: IC8.J6 J5.4 | length 33.4
  Top w0.4: IC8.J6@25.272,17.794 v1(25.672,18.194)
  L3 w0.1: v1(7.5,18.45) 6.775,17.725 6.775,13.533 6.9,13.408 9.083,11.225 16.9,11.225 17.525,11.85 21.951,11.85 23.275,13.174 23.275,14.175 23.85,14.75 23.85,16.592 23.375,17.067 23.375,17.519 23.8,17.944 24.3,17.944 24.6,17.644 25.122,17.644 v1(25.672,18.194)
  Bottom w0.4: v1(7.5,18.45) J5.4@7.5,20.172
FPGA_GPIO4: IC8.D11 J5.5 | length 17.3
  Top w0.4: v1(20.872,22.194) IC8.D11@21.272,21.794
  L3 w0.1: v1(16.625,24) 16.625,22.746 18.327,21.044 18.617,21.044 18.822,21.249 18.822,21.447 19.05,21.675 19.058,21.675 19.127,21.744 20.422,21.744 v1(20.872,22.194)
  Bottom w0.2: J5.5@8.775,24.072 8.775,24.875 9.8,25.9 14.725,25.9 v1(16.625,24) v1@16.675,23.95
FPGA_GPIO5: IC8.J7 J5.6 | length 25
  Top w0.4: IC8.J7@25.272,18.594 v1(25.672,18.994)
  L3 w0.1: v1(9.15,18.45) 9.15,18.442 14.009,13.583 20.05,13.583 20.475,14.008 20.475,16.692 20.727,16.944 21.05,16.944 21.322,17.216 21.322,17.539 21.527,17.744 22.31,17.744 23.141,18.575 25.253,18.575 v1(25.672,18.994)
  Bottom w0.4: J5.6@8.775,20.172 8.775,18.825 v1(9.15,18.45)
FPGA_GPIO6: IC8.A11 J5.7 | length 11.5
  Top w0.4: v1(18.472,22.194) IC8.A11@18.872,21.794
  Bottom w0.2: J5.7@10.05,24.072 10.05,24.85 10.8,25.6 14.369,25.6 16.394,23.575 17.091,23.575 v1(18.472,22.194)
FPGA_GPIO7: IC8.J8 J5.8 | length 34.6
  Top w0.4: IC8.J8@25.272,19.394 v1(25.672,19.794)
  L3 w0.1: v1(10.05,18.45) 9.7,18.8 9.005,18.8 7.15,16.945 7.15,14.208 7.32,14.038 10.437,14.038 11.825,12.65 12.2,12.65 12.35,12.8 22.042,12.8 22.822,13.58 22.822,17.249 23.737,18.164 24.386,18.164 24.706,17.844 25.017,17.844 25.322,18.149 25.322,18.339 25.527,18.544 25.769,18.544 26.05,18.825 26.05,19.416 v1(25.672,19.794)
  Bottom w0.4: v1(10.05,18.45) J5.8@10.05,20.172
FPGA_I2C_SCL: IC8.K10 IC9.2 IC12.6 IC14.6 IC16.6 IC17.6 R58.2 R136.1 R139.1 | length 128.5
  Top w0.4: R139.1@9.15,52.964 8.606,52.964 v1(8.05,53.519) 8.606,54.075 R136.1@9.15,54.075 ; IC8.K10@26.072,20.994 v1(26.472,21.394)
  L3 w0.1: v1(8.05,53.519) 8.519,53.05 8.519,29.544 7.475,28.5 7.475,24.325 5.325,22.175 5.325,7.958 6.883,6.4 16.25,6.4 19.435,3.215 v1(19.89,3.215) 29.157,3.215 30.825,4.883 v1(30.825,5.725) 31.1,6 31.1,6.683 36.692,12.275 38.042,12.275 39.275,13.508 39.275,14.992 38.175,16.092 38.175,22 35.1,25.075 34.175,25.075 33.625,25.625 32.2,25.625 v1(31.7,26.125)
  L4 w0.1: v1(26.472,21.394) 26.828,21.75 27.35,21.75 27.675,22.075 27.675,22.375 27.875,22.575 28.325,22.575 28.475,22.725 28.475,24.55 30.05,26.125 v1(31.7,26.125)
  Bottom w0.2: v1(19.89,3.215) 20.14,2.965 IC14.6@21.2,2.965 21.89,2.965 22.275,3.35 IC12.6@22.65,3.35
  Bottom w0.25: IC9.2@31,6.675 31,6.1 30.825,5.925 v1(30.825,5.725) 30.825,5.1 R58.2@31.5,4.425 32.96,2.965 IC17.6@35.3,2.965
  Bottom w0.3: IC17.6@35.3,2.965 35.861,2.965 36.246,3.35 IC16.6@36.65,3.35
FPGA_I2C_SDA: IC8.B10 IC9.1 IC12.5 IC14.5 IC16.5 IC17.5 R55.2 R142.1 R143.1 | length 128.5
  Top w0.4: R142.1@9.15,50.753 8.606,50.753 v1(8.05,51.308) 8.606,51.864 R143.1@9.15,51.864 ; v1(19.272,21.394) IC8.B10@19.672,20.994
  L3 w0.1: v1(8.05,51.308) 8.05,29.367 7.275,28.592 7.275,24.425 5.125,22.275 5.125,7.875 6.8,6.2 16.167,6.2 19.867,2.5 v1(19.875,2.5) 20.375,3 29.493,3 v1(30.525,4.032) 31.2,4.707 31.2,5.4 31.5,5.7 v1(31.5,6.025)
  Bottom w0.15: v1(8.05,51.308) 8.925,50.433 8.925,28.306 11.056,26.175 15.058,26.175 17.014,24.219 17.028,24.219 18.872,22.375 18.872,21.794 v1(19.272,21.394)
  Bottom w0.2: v1(19.875,2.5) 20.68,1.695 IC14.5@21.2,1.695 21.97,1.695 22.65,2.375 IC12.5@22.65,2.85
  Bottom w0.25: v1(30.525,4.032) 32.862,1.695 IC17.5@35.3,1.695 ; R55.2@31.5,5.525 v1(31.5,6.025) IC9.1@31.5,6.675
  Bottom w0.3: IC17.5@35.3,1.695 36.3,1.695 36.65,2.045 IC16.5@36.65,2.85
FPGA_JTAG_TCK: IC8.G2 J3.2 J4.1 R41.1 | length 33.1
  Top w0.4: IC8.G2@23.672,14.594 v1(24.072,14.194)
  L3 w0.1: v1(6.225,14.425) 6.225,13.475 8.875,10.825 17.066,10.825 17.691,11.45 22.117,11.45 23.722,13.055 23.722,13.844 v1(24.072,14.194)
  Bottom w0.3: J3.2@1.4,21.636 1.418,21.636 2.735,20.319 2.735,19.565 6.225,16.075 v1(6.225,14.425) J4.1@6.225,12.878
FPGA_JTAG_TDI: IC8.F5 J3.5 J4.9 R38.1 | length 31.2
  Top w0.4: v1(22.472,16.594) IC8.F5@22.872,16.994
  L3 w0.1: v1(12.032,13.003) 21.803,13.003 22.078,13.278 22.078,16.2 v1(22.472,16.594)
  Bottom w0.3: J3.5@1.4,14.007 4.808,10.599 9.999,10.599 11.325,11.925 J4.9@11.325,12.878
  Bottom w0.4: J4.9@11.325,12.878 J4.9@11.325,13.003 ; R38.1@11.825,16.094 11.825,15.025 11.325,14.525 J4.9@11.325,13.003 ; v1(12.032,13.003) J4.9@11.325,13.003
FPGA_JTAG_TDO: IC8.F6 J3.3 J4.3 | length 33.2
  Top w0.4: v1(22.472,17.394) IC8.F6@22.872,17.794
  L3 w0.1: v1(7.5,14.388) 12.801,14.388 13.813,13.375 20.792,13.375 21.275,13.858 21.275,16.7 21.55,16.975 22.053,16.975 v1(22.472,17.394)
  Bottom w0.3: J3.3@1.4,19.093 5.3,15.193 5.3,11.75 5.651,11.399 6.874,11.399 7.5,12.025 J4.3@7.5,12.878 v1(7.5,14.388)
FPGA_JTAG_TMS: IC8.G1 J3.4 J4.5 R36.1 | length 33.8
  Top w0.2: IC8.G1@23.6,13.722 IC8.G1@23.672,13.794
  Top w0.4: IC8.G1@23.672,13.794 v1(24.072,13.394)
  L3 w0.1: v1(7.575,11.175) 8.125,10.625 17.149,10.625 17.774,11.25 22.2,11.25 24.072,13.122 v1(24.072,13.394)
  Bottom w0.3: J3.4@1.4,16.55 4.725,13.225 4.725,11.759 5.485,10.999 7.399,10.999 v1(7.575,11.175) 7.799,11.399 8.2,11.399 8.775,11.974 J4.5@8.775,12.878
  Bottom w0.4: J4.5@8.775,12.878 R36.1@8.775,16.094
FPGA_LED1_G: IC11.1 R68.2 | length 3.6
  Bottom w0.25: R68.2@10.8,71.025 11.675,71.025 13.259,72.609 IC11.1@13.259,73.125
FPGA_LED1_R: IC11.15 R70.2 | length 6.2
  Bottom w0.25: R70.2@10.8,69.925 12.25,69.925 14.809,72.484 IC11.15@14.809,73.625
FPGA_LED2_G: IC11.3 R72.2 | length 1.8
  Bottom w0.25: R72.2@10.808,73.225 11.708,74.125 IC11.3@12.209,74.125
FPGA_LED2_R: IC11.2 R74.2 | length 2.4
  Bottom w0.25: R74.2@10.8,72.125 11.484,72.809 11.484,73.375 11.734,73.625 IC11.2@12.209,73.625
FPGA_LED3_G: IC11.5 R75.2 | length 1.5
  Bottom w0.25: R75.2@10.808,75.425 11.108,75.125 IC11.5@12.209,75.125